# Allegro board 8880F5-0824_updates.brd (continued)
## Placement (name value [footprint] x y rotation side) (continued)
NOREF#889  -  []  339.65 204.65 90 top
NOREF#890  -  []  336.77 165.04 90 top
NOREF#891  -  []  383.09 273.11 0 top
NOREF#892  -  []  118.45 234.24 90 top
NOREF#893  -  []  201.23 233.47 90 top
NOREF#894  -  []  390.69 257.11 0 top
NOREF#895  -  []  115.61 211.51 90 top
NOREF#896  -  []  400.79 154.88 0 top
NOREF#897  -  []  254.61 265.86 90 top
NOREF#898  -  []  397.8 179.6 90 top
NOREF#899  -  []  272.24 249.18 90 top
NOREF#900  -  []  424.98 146.43 90 top
NOREF#901  -  []  221.56 190.49 0 top
NOREF#902  -  []  374.34 210.38 90 top
NOREF#903  -  []  332.51 265.55 0 top
NOREF#904  -  []  237.57 269.63 90 top
NOREF#905  -  []  332.83 264.65 90 top
NOREF#906  -  []  241.6 296.61 0 top
NOREF#907  -  []  122.15 195.15 0 top
NOREF#908  -  []  166.06 243.9 90 top
NOREF#909  -  []  450.03 225.6 0 top
NOREF#910  -  []  390.94 241.16 90 top
NOREF#911  -  []  271.04 241.69 0 top
NOREF#912  -  []  271.34 185.18 0 top
NOREF#913  -  []  424.98 146.33 90 top
NOREF#914  -  []  127.95 187.53 0 top
NOREF#915  -  []  272.25 182.96 0 top
NOREF#916  -  []  128.05 271.33 90 top
NOREF#917  -  []  485.36 259.9 90 top
NOREF#918  -  []  201.49 159.65 0 top
NOREF#919  -  []  390.69 273.11 0 top
NOREF#920  -  []  118.33 273.87 90 top
NOREF#921  -  []  192.47 202.99 90 top
NOREF#922  -  []  281.47 296.86 0 top
NOREF#923  -  []  317.57 269.63 90 top
NOREF#924  -  []  175.7 202.99 90 top
NOREF#925  -  []  391.96 131.89 0 top
NOREF#926  -  []  343.83 231.63 90 top
NOREF#927  -  []  456.04 222.5 0 top
NOREF#928  -  []  263.95 223.52 90 top
NOREF#929  -  []  167.7 233.47 90 top
NOREF#930  -  []  182.57 212.85 90 top
NOREF#931  -  []  310.73 189.2 0 top
NOREF#932  -  []  406.65 223.21 90 top
NOREF#933  -  []  326.23 173.13 0 top
NOREF#934  -  []  414.82 297.12 0 top
NOREF#935  -  []  167.7 227.72 90 top
NOREF#936  -  []  271.04 249.82 0 top
NOREF#937  -  []  167.7 187.92 90 top
NOREF#938  -  []  397.8 146.33 90 top
NOREF#939  -  []  409.17 297.12 0 top
NOREF#940  -  []  166.06 175.58 90 top
NOREF#941  -  []  371.48 265.11 0 top
NOREF#942  -  []  368.03 265.11 0 top
NOREF#943  -  []  248.33 247.93 0 top
NOREF#944  -  []  352.25 184.23 0 top
NOREF#945  -  []  309.21 248.88 0 top
NOREF#946  -  []  463.61 171.53 0 top
NOREF#947  -  []  297.41 213.24 90 top
NOREF#948  -  []  369.38 257.11 0 top
NOREF#949  -  []  395.2 281.11 0 top
NOREF#950  -  []  118.7 217.73 90 top
NOREF#951  -  []  167.7 255.15 0 top
NOREF#952  -  []  338.2 186.67 0 top
NOREF#953  -  []  318.3 223.52 90 top
NOREF#954  -  []  398.65 241.11 0 top
NOREF#955  -  []  93.76 287.84 90 top
NOREF#956  -  []  250.49 164.74 90 top
NOREF#957  -  []  352.55 182.64 0 top
NOREF#958  -  []  327.25 205.55 0 top
NOREF#959  -  []  415.1 163.64 0 top
NOREF#960  -  []  184.47 260.9 90 top
NOREF#961  -  []  192.47 189.02 90 top
NOREF#962  -  []  304.65 271.67 0 top
NOREF#963  -  []  108.01 222.33 0 top
NOREF#964  -  []  184.47 258.7 90 top
NOREF#965  -  []  201.49 173.11 0 top
NOREF#966  -  []  351.04 242.96 0 top
NOREF#967  -  []  343.98 288.86 0 top
NOREF#968  -  []  311.15 219.63 90 top
NOREF#969  -  []  118.33 289.48 90 top
NOREF#970  -  []  394.46 129.99 90 top
NOREF#971  -  []  201.49 165.4 90 top
NOREF#972  -  []  351.34 185.18 0 top
NOREF#973  -  []  199.33 212.85 90 top
NOREF#974  -  []  417.7 146.88 0 top
NOREF#975  -  []  368.28 297.12 0 top
NOREF#976  -  []  310.83 164.63 0 top
NOREF#977  -  []  385.93 144.98 0 top
NOREF#978  -  []  215.96 188.49 0 top
NOREF#979  -  []  263.31 224.72 0 top
NOREF#980  -  []  385.18 209.11 90 top
NOREF#981  -  []  108.01 214.71 0 top
NOREF#982  -  []  168.13 199.99 90 top
NOREF#983  -  []  201.49 176.66 90 top
NOREF#984  -  []  383.09 224.85 0 top
NOREF#985  -  []  392.47 288.67 90 top
NOREF#986  -  []  310.43 253.37 90 top
NOREF#987  -  []  419.9 154.88 0 top
NOREF#988  -  []  406.19 188.15 0 top
NOREF#989  -  []  229.51 193.69 0 top
NOREF#990  -  []  462.06 291.28 90 top
NOREF#991  -  []  192.47 243.88 90 top
NOREF#992  -  []  352.25 182.96 0 top
NOREF#993  -  []  394 217.36 0 top
NOREF#994  -  []  230.73 189.2 0 top
NOREF#995  -  []  167.7 200.54 0 top
NOREF#996  -  []  451.68 239.34 0 top
NOREF#997  -  []  332.51 265.56 0 top
NOREF#998  -  []  216.96 192.14 0 top
NOREF#999  -  []  398.65 249.11 0 top
NOREF#1000  -  []  192.47 232.37 90 top
NOREF#1001  -  []  288.74 290.13 90 top
NOREF#1002  -  []  272.25 244.86 90 top
NOREF#1003  -  []  315.7 296.86 0 top
NOREF#1004  -  []  128.21 178.64 0 top
NOREF#1005  -  []  399.64 144.98 0 top
NOREF#1006  -  []  463.11 186.77 0 top
NOREF#1007  -  []  411.52 146.33 90 top
NOREF#1008  -  []  304.61 131.64 0 top
NOREF#1009  -  []  308.14 296.86 0 top
NOREF#1010  -  []  296.96 240.71 0 top
NOREF#1011  -  []  75.98 271.33 90 top
NOREF#1012  -  []  201.23 190.12 90 top
NOREF#1013  -  []  309.51 183.41 0 top
NOREF#1014  -  []  334.29 205.56 0 top
NOREF#1015  -  []  272.25 184.23 0 top
NOREF#1016  -  []  119.95 222.33 0 top
NOREF#1017  -  []  383.09 289.12 0 top
NOREF#1018  -  []  268.01 296.86 0 top
NOREF#1019  -  []  511.59 259.9 90 top
NOREF#1020  -  []  395.2 249.11 0 top
NOREF#1021  -  []  230.41 186.34 90 top
NOREF#1022  -  []  410.27 257.37 0 top
NOREF#1023  -  []  88.64 247.45 90 top
NOREF#1024  -  []  119.76 127 90 top
NOREF#1025  -  []  418.12 273.37 0 top
NOREF#1026  -  []  343.63 223.82 90 top
NOREF#1027  -  []  302.11 142.44 0 top
NOREF#1028  -  []  256.45 224.72 0 top
NOREF#1029  -  []  119.99 214.79 0 top
NOREF#1030  -  []  268.94 272.1 0 top
NOREF#1031  -  []  367.48 225.87 90 top
NOREF#1032  -  []  215.96 248.49 0 top
NOREF#1033  -  []  450.03 166.93 0 top
NOREF#1034  -  []  257.9 186.35 90 top
NOREF#1035  -  []  259.33 265.55 0 top
NOREF#1036  -  []  216.96 180.71 0 top
NOREF#1037  -  []  371.48 241.11 0 top
NOREF#1038  -  []  112.67 171.02 0 top
NOREF#1039  -  []  388.43 163.64 0 top
NOREF#1040  -  []  448.94 290.38 90 top
NOREF#1041  -  []  390.53 188.15 0 top
NOREF#1042  -  []  272.55 181.37 0 top
NOREF#1043  -  []  247.25 205.55 0 top
NOREF#1044  -  []  483.17 130.26 90 top
NOREF#1045  -  []  106.29 174.19 90 top
NOREF#1046  -  []  167.7 201.89 90 top
NOREF#1047  -  []  192.47 154.88 90 top
NOREF#1048  -  []  419.22 257.37 90 top
NOREF#1049  -  []  409.74 146.88 0 top
NOREF#1050  -  []  327.15 286.96 90 top
NOREF#1051  -  []  331.38 223.52 90 top
NOREF#1052  -  []  118.45 231.77 0 top
NOREF#1053  -  []  338.2 246.67 0 top
NOREF#1054  -  []  382.82 163.39 0 top
NOREF#1055  -  []  346.27 129.42 90 top
NOREF#1056  -  []  263.83 171.63 90 top
NOREF#1057  -  []  247.57 205.86 90 top
NOREF#1058  -  []  168.13 213.45 90 top
NOREF#1059  -  []  392.04 257.11 90 top
NOREF#1060  -  []  246.67 288.16 90 top
NOREF#1061  -  []  450.03 234.74 0 top
NOREF#1062  -  []  471.21 211.76 0 top
NOREF#1063  -  []  215.96 188.49 0 top
NOREF#1064  -  []  331.22 193.63 0 top
NOREF#1065  -  []  253.4 264.35 90 top
NOREF#1066  -  []  230.43 189.52 0 top
NOREF#1067  -  []  367.13 271.21 0 top
NOREF#1068  -  []  295.96 248.49 0 top
NOREF#1069  -  []  252.83 264.65 90 top
NOREF#1070  -  []  75.98 290.38 90 top
NOREF#1071  -  []  296.81 275.94 0 top
NOREF#1072  -  []  423.2 146.88 0 top
NOREF#1073  -  []  383.83 194.68 90 top
NOREF#1074  -  []  327.25 264.35 90 top
NOREF#1075  -  []  343.95 223.52 90 top
NOREF#1076  -  []  263.63 163.82 90 top
NOREF#1077  -  []  167.7 159.65 90 top
NOREF#1078  -  []  352.24 189.18 90 top
NOREF#1079  -  []  199.84 162.12 90 top
NOREF#1080  -  []  518.38 276.41 90 top
NOREF#1081  -  []  373.93 281.11 0 top
NOREF#1082  -  []  167.7 206.29 90 top
NOREF#1083  -  []  473.79 239.64 0 top
NOREF#1084  -  []  184.47 147.28 90 top
NOREF#1085  -  []  321.35 296.86 0 top
NOREF#1086  -  []  262.68 223.52 90 top
NOREF#1087  -  []  165.8 254 90 top
NOREF#1088  -  []  318.45 257.01 0 top
NOREF#1089  -  []  248 286.96 0 top
NOREF#1090  -  []  375.22 163.39 0 top
NOREF#1091  -  []  406.52 131.89 90 top
NOREF#1092  -  []  172.08 289.11 90 top
NOREF#1093  -  []  175.8 215.25 90 top
NOREF#1094  -  []  379.73 287.22 90 top
NOREF#1095  -  []  184.47 215.35 90 top
NOREF#1096  -  []  310.43 194.01 0 top
NOREF#1097  -  []  262.68 224.74 90 top
NOREF#1098  -  []  302.11 252.14 0 top
NOREF#1099  -  []  398.65 257.37 0 top
NOREF#1100  -  []  449.99 217.9 0 top
NOREF#1101  -  []  167.7 161 90 top
NOREF#1102  -  []  167.7 241.43 0 top
NOREF#1103  -  []  184.47 247.18 90 top
NOREF#1104  -  []  459.24 219.3 0 top
NOREF#1105  -  []  463.11 230.2 0 top
NOREF#1106  -  []  66.26 271.33 90 top
NOREF#1107  -  []  250.49 163.52 90 top
NOREF#1108  -  []  249.15 296.86 0 top
NOREF#1109  -  []  333.4 205.56 0 top
NOREF#1110  -  []  312.46 131.69 90 top
NOREF#1111  -  []  390.53 180.15 0 top
NOREF#1112  -  []  460.93 182.17 90 top
NOREF#1113  -  []  419.9 272.92 90 top
NOREF#1114  -  []  501.87 273.87 90 top
NOREF#1115  -  []  371.48 257.11 0 top
NOREF#1116  -  []  284.36 280.1 0 top
NOREF#1117  -  []  410.52 273.37 0 top
NOREF#1118  -  []  334.29 265.56 90 top
NOREF#1119  -  []  250.73 204.35 90 top
NOREF#1120  -  []  94.93 190.55 0 top
NOREF#1121  -  []  184.47 227.72 0 top
NOREF#1122  -  []  256.77 225.04 90 top
NOREF#1123  -  []  331.38 224.74 90 top
NOREF#1124  -  []  184.47 214 0 top
NOREF#1125  -  []  408.02 239.21 0 top
NOREF#1126  -  []  292.74 296.86 0 top
NOREF#1127  -  []  461.96 166.93 0 top
NOREF#1128  -  []  303.26 139.64 0 top
NOREF#1129  -  []  259.33 205.55 0 top
NOREF#1130  -  []  413.71 178.82 0 top
NOREF#1131  -  []  405.5 273.11 90 top
NOREF#1132  -  []  107.18 246.83 90 top
NOREF#1133  -  []  177.33 187.32 90 top
NOREF#1134  -  []  11.6 261.68 90 top
NOREF#1135  -  []  258.35 288.91 90 top
NOREF#1136  -  []  310.43 187.61 90 top
NOREF#1137  -  []  167.7 173.11 0 top
NOREF#1138  -  []  482.64 192.46 90 top
NOREF#1139  -  []  331.62 265.56 0 top
NOREF#1140  -  []  408.02 287.22 0 top
NOREF#1141  -  []  251.05 204.65 90 top
NOREF#1142  -  []  122.41 178.64 0 top
NOREF#1143  -  []  404.4 225.16 90 top
NOREF#1144  -  []  201.23 215.35 90 top
NOREF#1145  -  []  230.73 253.69 0 top
NOREF#1146  -  []  318.45 197.01 0 top
NOREF#1147  -  []  230.73 189.2 0 top
NOREF#1148  -  []  351.34 245.18 0 top
NOREF#1149  -  []  471.11 186.77 0 top
NOREF#1150  -  []  251.62 265.56 0 top
NOREF#1151  -  []  128.24 171.1 0 top
NOREF#1152  -  []  306.83 269.63 90 top
NOREF#1153  -  []  327.25 265.56 0 top
NOREF#1154  -  []  400.54 171.64 0 top
NOREF#1155  -  []  459.28 183.57 0 top
NOREF#1156  -  []  105.58 234.24 90 top
NOREF#1157  -  []  330.51 288.86 0 top
NOREF#1158  -  []  299.59 288.86 90 top
NOREF#1159  -  []  199.59 158.5 0 top
NOREF#1160  -  []  230.73 247.93 0 top
NOREF#1161  -  []  84.04 287.84 90 top
NOREF#1162  -  []  250.73 265.56 0 top
NOREF#1163  -  []  201.21 292.55 90 top
NOREF#1164  -  []  201.49 173.11 90 top
NOREF#1165  -  []  229.51 183.41 0 top
NOREF#1166  -  []  396.55 241.11 0 top
NOREF#1167  -  []  453.88 171.53 0 top
NOREF#1168  -  []  344.37 128.27 0 top
NOREF#1169  -  []  331.62 264.35 90 top
NOREF#1170  -  []  397.3 209.36 0 top
NOREF#1171  -  []  310.43 188.88 90 top
NOREF#1172  -  []  94.68 234.24 0 top
NOREF#1173  -  []  387.08 171.64 0 top
NOREF#1174  -  []  314.33 168.13 90 top
NOREF#1175  -  []  252.43 132.14 0 top
NOREF#1176  -  []  247.25 205.56 90 top
NOREF#1177  -  []  468.68 129.54 0 top
NOREF#1178  -  []  308.91 139.64 0 top
NOREF#1179  -  []  175.7 218.65 90 top
NOREF#1180  -  []  259.65 204.65 90 top
NOREF#1181  -  []  192.57 147.18 90 top
NOREF#1182  -  []  274.67 286.96 0 top
NOREF#1183  -  []  463.11 230.2 0 top
NOREF#1184  -  []  165.8 199.39 0 top
NOREF#1185  -  []  394.66 242.38 90 top
NOREF#1186  -  []  329.28 163.82 90 top
NOREF#1187  -  []  376.23 209.11 0 top
NOREF#1188  -  []  401.87 139.89 0 top
NOREF#1189  -  []  230.43 253.37 90 top
NOREF#1190  -  []  410.78 131.89 0 top
NOREF#1191  -  []  310.43 246.34 0 top
NOREF#1192  -  []  310.43 193.37 90 top
NOREF#1193  -  []  459.28 236.14 90 top
NOREF#1194  -  []  107.02 166.42 90 top
NOREF#1195  -  []  242.23 233.13 0 top
NOREF#1196  -  []  470.79 128.27 0 top
NOREF#1197  -  []  342.04 164.74 0 top
NOREF#1198  -  []  468.01 171.53 0 top
NOREF#1199  -  []  390.34 192.28 90 top
NOREF#1200  -  []  400.24 195.88 90 top
NOREF#1201  -  []  463.61 171.53 0 top
NOREF#1202  -  []  106.18 160.58 90 top
NOREF#1203  -  []  392.24 193.43 90 top
NOREF#1204  -  []  373.32 181.42 90 top
NOREF#1205  -  []  244.8 288.61 0 top
NOREF#1206  -  []  166.06 203.01 90 top
NOREF#1207  -  []  373.87 171.39 0 top
NOREF#1208  -  []  201.23 214 90 top
NOREF#1209  -  []  343.95 163.52 90 top
NOREF#1210  -  []  182.57 158.5 90 top
NOREF#1211  -  []  182.57 158.5 0 top
NOREF#1212  -  []  394.66 226.38 90 top
NOREF#1213  -  []  236.27 289.16 90 top
NOREF#1214  -  []  229.51 186.66 0 top
NOREF#1215  -  []  403.99 171.64 0 top
NOREF#1216  -  []  337.9 186.99 0 top
NOREF#1217  -  []  377.23 273.11 0 top
NOREF#1218  -  []  337.09 163.52 90 top
NOREF#1219  -  []  192.47 191.22 90 top
NOREF#1220  -  []  263.63 225.04 90 top
NOREF#1221  -  []  511.59 257.36 90 top
NOREF#1222  -  []  229.21 188.88 0 top
NOREF#1223  -  []  330.73 265.55 0 top
NOREF#1224  -  []  229.05 271.67 0 top
NOREF#1225  -  []  317.66 164.72 0 top
NOREF#1226  -  []  259.33 265.56 0 top
NOREF#1227  -  []  352.55 242.64 0 top
NOREF#1228  -  []  394.66 290.39 90 top
NOREF#1229  -  []  460.93 234.74 90 top
NOREF#1230  -  []  420.62 271.47 90 top
NOREF#1231  -  []  306.85 211.67 0 top
NOREF#1232  -  []  322.62 139.64 0 top
NOREF#1233  -  []  184.47 241.43 0 top
NOREF#1234  -  []  453.88 230.2 0 top
NOREF#1235  -  []  451.68 171.53 0 top
NOREF#1236  -  []  384.36 131.89 0 top
NOREF#1237  -  []  459.28 227 90 top
NOREF#1238  -  []  201.4 254.6 90 top
NOREF#1239  -  []  473.79 196.21 0 top
NOREF#1240  -  []  334.29 264.35 90 top
NOREF#1241  -  []  311.69 288.91 90 top
NOREF#1242  -  []  252.83 205.86 90 top
NOREF#1243  -  []  184.47 206.29 90 top
NOREF#1244  -  []  192.47 175.56 90 top
NOREF#1245  -  []  377.32 163.39 0 top
NOREF#1246  -  []  408.02 271.47 0 top
NOREF#1247  -  []  400.91 207.71 0 top
NOREF#1248  -  []  371.73 297.12 0 top
NOREF#1249  -  []  376.23 209.11 0 top
NOREF#1250  -  []  230.83 224.63 0 top
NOREF#1251  -  []  419.47 273.37 90 top
NOREF#1252  -  []  351.04 184.23 0 top
NOREF#1253  -  []  312.46 144.39 90 top
NOREF#1254  -  []  383.07 163.44 90 top
NOREF#1255  -  []  341.63 233.83 90 top
NOREF#1256  -  []  175.7 135.17 90 top
NOREF#1257  -  []  253.4 265.56 90 top
NOREF#1258  -  []  342.04 224.74 0 top
NOREF#1259  -  []  310.73 243.41 0 top
NOREF#1260  -  []  348.28 296.86 0 top
NOREF#1261  -  []  226.83 269.63 90 top
NOREF#1262  -  []  230.43 193.37 90 top
NOREF#1263  -  []  322.23 173.13 90 top
NOREF#1264  -  []  175.8 147.18 90 top
NOREF#1265  -  []  254.29 205.55 0 top
NOREF#1266  -  []  306.27 216.63 90 top
NOREF#1267  -  []  394.05 223.21 0 top
NOREF#1268  -  []  398.65 281.11 0 top
NOREF#1269  -  []  404.15 273.11 0 top
NOREF#1270  -  []  184.47 192.32 90 top
NOREF#1271  -  []  251.22 253.63 0 top
NOREF#1272  -  []  412.62 289.12 0 top
NOREF#1273  -  []  234.7 298.51 0 top
NOREF#1274  -  []  392.73 188.15 0 top
NOREF#1275  -  []  331.62 265.55 0 top
NOREF#1276  -  []  122.15 222.33 0 top
NOREF#1277  -  []  318.32 131.64 0 top
NOREF#1278  -  []  230.41 188.88 90 top
NOREF#1279  -  []  331.22 253.63 0 top
NOREF#1280  -  []  167.7 255.15 90 top
NOREF#1281  -  []  317.05 288.86 0 top
NOREF#1282  -  []  352.25 245.5 0 top
NOREF#1283  -  []  294.94 296.86 0 top
NOREF#1284  -  []  272.24 184.86 90 top
NOREF#1285  -  []  456.08 214.96 0 top
NOREF#1286  -  []  317.66 224.74 0 top
NOREF#1287  -  []  284.36 272.1 90 top
NOREF#1288  -  []  221.56 242.89 0 top
NOREF#1289  -  []  264.72 272.65 90 top
NOREF#1290  -  []  167.7 247.18 90 top
NOREF#1291  -  []  518.38 273.87 90 top
NOREF#1292  -  []  182.57 212.85 0 top
NOREF#1293  -  []  182.57 254 0 top
NOREF#1294  -  []  168.13 240.88 90 top
NOREF#1295  -  []  478.57 257.36 90 top
NOREF#1296  -  []  263.2 232.26 90 top
NOREF#1297  -  []  369.38 224.6 0 top
NOREF#1298  -  []  552.76 299.72 0 top
NOREF#1299  -  []  252.6 296.86 0 top
NOREF#1300  -  []  302.49 296.86 0 top
NOREF#1301  -  []  192.47 222.95 90 top
NOREF#1302  -  []  182.57 144.78 90 top
NOREF#1303  -  []  251.38 223.52 90 top
NOREF#1304  -  []  209.59 160.9 90 top
NOREF#1305  -  []  422.95 163.69 90 top
NOREF#1306  -  []  217.41 213.24 0 top
NOREF#1307  -  []  327.57 205.86 90 top
NOREF#1308  -  []  304.61 131.64 0 top
NOREF#1309  -  []  122.19 214.79 0 top
NOREF#1310  -  []  177.33 146.68 90 top
NOREF#1311  -  []  66.26 290.38 90 top
NOREF#1312  -  []  423.71 181.22 90 top
NOREF#1313  -  []  217.41 273.24 0 top
NOREF#1314  -  []  403.41 209.61 0 top
NOREF#1315  -  []  310.73 183.41 0 top
NOREF#1316  -  []  228.36 262.16 45 top
NOREF#1317  -  []  366.88 222.7 0 top
NOREF#1318  -  []  351.34 182.64 0 top
NOREF#1319  -  []  223.15 271.32 90 top
NOREF#1320  -  []  310.43 248.88 0 top
NOREF#1321  -  []  194.09 214.75 90 top
NOREF#1322  -  []  410.84 180.15 90 top
NOREF#1323  -  []  546.67 300.44 90 top
NOREF#1324  -  []  266.74 143.19 0 top
NOREF#1325  -  []  342.36 163.82 90 top
NOREF#1326  -  []  327.25 265.55 0 top
NOREF#1327  -  []  272.55 189.5 0 top
NOREF#1328  -  []  339.65 204.65 90 top
NOREF#1329  -  []  175.7 195.52 90 top
NOREF#1330  -  []  332.83 265.86 90 top
NOREF#1331  -  []  249.85 224.72 0 top
NOREF#1332  -  []  192.47 182.06 90 top
NOREF#1333  -  []  310.43 186.34 0 top
NOREF#1334  -  []  462.06 274.77 90 top
NOREF#1335  -  []  317.98 225.04 90 top
NOREF#1336  -  []  283.21 282 0 top
NOREF#1337  -  []  346.69 128.87 90 top
NOREF#1338  -  []  383.09 289.12 0 top
NOREF#1339  -  []  259.45 288.86 90 top
NOREF#1340  -  []  419.73 131.89 90 top
NOREF#1341  -  []  192.47 230.17 90 top
NOREF#1342  -  []  456.08 171.53 0 top
NOREF#1343  -  []  106.76 217.73 90 top
NOREF#1344  -  []  165.8 240.28 0 top
NOREF#1345  -  []  106.03 217.88 90 top
NOREF#1346  -  []  96.58 195.15 0 top
NOREF#1347  -  []  118.96 179.19 0 top
NOREF#1348  -  []  388.43 180.15 0 top
NOREF#1349  -  []  175.8 174.36 90 top
NOREF#1350  -  []  310.43 243.09 90 top
NOREF#1351  -  []  254.8 296.86 0 top
NOREF#1352  -  []  209.49 182.06 90 top
NOREF#1353  -  []  155.57 289.11 90 top
NOREF#1354  -  []  390.94 273.16 90 top
NOREF#1355  -  []  331.62 265.56 90 top
NOREF#1356  -  []  210.86 228.47 90 top
NOREF#1357  -  []  250.49 224.74 90 top
NOREF#1358  -  []  308.36 202.16 45 top
NOREF#1359  -  []  411.26 163.19 90 top
NOREF#1360  -  []  392.04 289.12 90 top
NOREF#1361  -  []  401.87 194.18 90 top
NOREF#1362  -  []  272.55 243.91 0 top
NOREF#1363  -  []  367.73 274.38 90 top
NOREF#1364  -  []  259.84 145.09 0 top
NOREF#1365  -  []  230.73 243.41 0 top
NOREF#1366  -  []  453.88 214.96 0 top
NOREF#1367  -  []  475.36 127 90 top
NOREF#1368  -  []  184.89 254.6 90 top
NOREF#1369  -  []  199.33 226.57 0 top
NOREF#1370  -  []  201.23 186.57 0 top
NOREF#1371  -  []  252.6 288.86 0 top
NOREF#1372  -  []  409.99 146.93 90 top
NOREF#1373  -  []  352.25 249.82 0 top
NOREF#1374  -  []  399.99 164.91 90 top
NOREF#1375  -  []  230.43 188.88 0 top
NOREF#1376  -  []  257.09 224.74 90 top
NOREF#1377  -  []  332.51 264.35 90 top
NOREF#1378  -  []  295.96 177.06 0 top
NOREF#1379  -  []  369.63 273.11 0 top
NOREF#1380  -  []  168.13 132.17 90 top
NOREF#1381  -  []  199.59 158.5 90 top
NOREF#1382  -  []  209.49 148.63 90 top
NOREF#1383  -  []  383.09 273.11 0 top
NOREF#1384  -  []  399.39 178.25 0 top
NOREF#1385  -  []  108.27 171.02 0 top
NOREF#1386  -  []  237.66 224.74 0 top
NOREF#1387  -  []  275.12 271.65 90 top
NOREF#1388  -  []  411.09 146.88 90 top
NOREF#1389  -  []  459.28 236.14 0 top
NOREF#1390  -  []  383.09 224.85 0 top
NOREF#1391  -  []  396.55 257.37 0 top
NOREF#1392  -  []  386.46 131.89 0 top
NOREF#1393  -  []  230.41 253.37 90 top
NOREF#1394  -  []  331.86 252.43 90 top
NOREF#1395  -  []  404.4 289.17 90 top
NOREF#1396  -  []  215.96 237.06 0 top
NOREF#1397  -  []  404.4 273.16 90 top
NOREF#1398  -  []  380.59 239.21 0 top
NOREF#1399  -  []  331.05 205.86 90 top
NOREF#1400  -  []  184.47 227.72 90 top
NOREF#1401  -  []  385.19 257.11 0 top
NOREF#1402  -  []  168.13 254.6 90 top
NOREF#1403  -  []  414.25 154.88 0 top
NOREF#1404  -  []  317.83 257.63 0 top
NOREF#1405  -  []  330.49 223.52 90 top
NOREF#1406  -  []  478.57 291.28 90 top
NOREF#1407  -  []  451.68 239.34 0 top
NOREF#1408  -  []  201.23 206.29 90 top
NOREF#1409  -  []  424.47 163.09 90 top
NOREF#1410  -  []  238.45 257.01 0 top
NOREF#1411  -  []  379.48 255.21 90 top
NOREF#1412  -  []  396.55 241.11 0 top
NOREF#1413  -  []  559.43 297.18 90 top
NOREF#1414  -  []  201.23 244.98 90 top
NOREF#1415  -  []  252.83 204.65 90 top
NOREF#1416  -  []  230.43 193.37 0 top
NOREF#1417  -  []  334.29 265.56 0 top
NOREF#1418  -  []  184.47 145.93 0 top
NOREF#1419  -  []  301.95 290.13 90 top
NOREF#1420  -  []  259.97 204.35 90 top
NOREF#1421  -  []  352.24 189.18 90 top
NOREF#1422  -  []  483.04 195.66 0 top
NOREF#1423  -  []  461.96 210.36 0 top
NOREF#1424  -  []  253.4 265.55 0 top
NOREF#1425  -  []  184.47 217.55 90 top
NOREF#1426  -  []  296.96 252.14 0 top
NOREF#1427  -  []  330.49 164.74 90 top
NOREF#1428  -  []  115.36 235.64 90 top
NOREF#1429  -  []  167.7 138.47 90 top
NOREF#1430  -  []  165.8 131.57 90 top
NOREF#1431  -  []  263.31 164.74 0 top
NOREF#1432  -  []  120.21 178.64 0 top
NOREF#1433  -  []  272.25 189.18 90 top
NOREF#1434  -  []  167.7 147.28 90 top
NOREF#1435  -  []  336.45 224.72 0 top
NOREF#1436  -  []  283.21 270.2 90 top
NOREF#1437  -  []  333.4 205.56 90 top
NOREF#1438  -  []  459.28 227 0 top
NOREF#1439  -  []  167.7 159.65 0 top
NOREF#1440  -  []  420.62 239.21 90 top
NOREF#1441  -  []  367.48 258.38 90 top
NOREF#1442  -  []  412.6 161.74 0 top
NOREF#1443  -  []  406.65 239.21 90 top
NOREF#1444  -  []  118.99 171.65 0 top
NOREF#1445  -  []  424.05 163.64 90 top
NOREF#1446  -  []  393.19 271.21 90 top
NOREF#1447  -  []  200.98 256.5 90 top
NOREF#1448  -  []  304.61 144.34 0 top
NOREF#1449  -  []  119.7 238.84 0 top
NOREF#1450  -  []  209.23 230.17 90 top
NOREF#1451  -  []  352.24 242.32 90 top
NOREF#1452  -  []  317.05 288.86 0 top
NOREF#1453  -  []  477.24 239.09 0 top
NOREF#1454  -  []  411.99 161.74 90 top
NOREF#1455  -  []  394.05 287.22 0 top
NOREF#1456  -  []  412.36 209.61 90 top
NOREF#1457  -  []  168.13 172.56 90 top
NOREF#1458  -  []  468.85 259.9 90 top
NOREF#1459  -  []  121.9 238.84 0 top
NOREF#1460  -  []  381.2 290.39 90 top
NOREF#1461  -  []  234.33 228.13 90 top
NOREF#1462  -  []  265.81 288.86 0 top
NOREF#1463  -  []  387.39 232.85 0 top
NOREF#1464  -  []  309.21 243.09 0 top
NOREF#1465  -  []  249.6 223.52 90 top
NOREF#1466  -  []  285.02 288.91 90 top
NOREF#1467  -  []  250.17 163.82 90 top
NOREF#1468  -  []  351.34 249.5 0 top
NOREF#1469  -  []  192.47 218.65 90 top
NOREF#1470  -  []  290.11 280.1 0 top
NOREF#1471  -  []  276.4 147.38 0 top
NOREF#1472  -  []  381.74 232.85 0 top
NOREF#1473  -  []  175.7 230.17 90 top
NOREF#1474  -  []  343.31 224.74 0 top
NOREF#1475  -  []  263.14 270.2 90 top
NOREF#1476  -  []  192.47 264.1 90 top
NOREF#1477  -  []  218.13 274.06 90 top
NOREF#1478  -  []  415.61 183.52 90 top
NOREF#1479  -  []  246.63 130.24 90 top
NOREF#1480  -  []  127.55 219.13 90 top
NOREF#1481  -  []  257.08 132.19 90 top
NOREF#1482  -  []  379.01 288.67 90 top
NOREF#1483  -  []  352.25 242.96 0 top
NOREF#1484  -  []  262.34 143.19 0 top
NOREF#1485  -  []  310.43 188.88 0 top
NOREF#1486  -  []  332.51 205.56 0 top
NOREF#1487  -  []  254.29 205.56 0 top
NOREF#1488  -  []  167.7 176.66 90 top
NOREF#1489  -  []  399.39 161.74 0 top
NOREF#1490  -  []  331.06 225.04 90 top
NOREF#1491  -  []  379.48 222.7 90 top
NOREF#1492  -  []  309.21 193.37 0 top
NOREF#1493  -  []  259.33 264.35 90 top
NOREF#1494  -  []  184.47 186.57 90 top
NOREF#1495  -  []  272.55 242.64 0 top
NOREF#1496  -  []  310.41 253.37 90 top
NOREF#1497  -  []  271.34 181.37 0 top
NOREF#1498  -  []  397.8 179.7 90 top
NOREF#1499  -  []  333.4 265.56 90 top
NOREF#1500  -  []  127.7 238.84 0 top
NOREF#1501  -  []  194.09 255.9 90 top
NOREF#1502  -  []  339.89 288.31 90 top
NOREF#1503  -  []  317.83 197.63 0 top
NOREF#1504  -  []  368.03 232.6 0 top
NOREF#1505  -  []  456.08 195.91 0 top
NOREF#1506  -  []  248.33 187.93 0 top
NOREF#1507  -  []  319.33 176.03 90 top
NOREF#1508  -  []  306.71 144.34 0 top
NOREF#1509  -  []  374.08 195.9 90 top
NOREF#1510  -  []  239.33 243.63 90 top
NOREF#1511  -  []  199.33 226.57 90 top
NOREF#1512  -  []  194.09 173.86 90 top
NOREF#1513  -  []  175.7 189.02 90 top
NOREF#1514  -  []  110.21 214.71 0 top
NOREF#1515  -  []  351.34 243.91 0 top
NOREF#1516  -  []  305.94 296.86 0 top
NOREF#1517  -  []  411.26 163.09 90 top
NOREF#1518  -  []  247.25 265.56 90 top
NOREF#1519  -  []  385.36 194.18 90 top
NOREF#1520  -  []  192.57 187.82 90 top
NOREF#1521  -  []  390.94 289.17 90 top
NOREF#1522  -  []  253.4 265.56 0 top
NOREF#1523  -  []  459.28 192.71 90 top
NOREF#1524  -  []  199.33 199.39 90 top
NOREF#1525  -  []  252.51 205.56 90 top
NOREF#1526  -  []  239.4 296.61 0 top
NOREF#1527  -  []  112.16 238.84 0 top
NOREF#1528  -  []  115.19 128.27 0 top
NOREF#1529  -  []  309.51 186.66 0 top
NOREF#1530  -  []  112.05 246.78 90 top
NOREF#1531  -  []  229.21 193.37 0 top
NOREF#1532  -  []  465.45 292.92 90 top
NOREF#1533  -  []  330.18 182.88 0 top
NOREF#1534  -  []  201.21 290.01 90 top
NOREF#1535  -  []  369.63 273.11 0 top
NOREF#1536  -  []  310.41 193.37 90 top
NOREF#1537  -  []  396.55 225.11 0 top
NOREF#1538  -  []  201.23 214 0 top
NOREF#1539  -  []  182.57 199.39 0 top
NOREF#1540  -  []  383.73 195.88 90 top
NOREF#1541  -  []  397.55 209.41 90 top
NOREF#1542  -  []  119.95 195.15 0 top
NOREF#1543  -  []  230.73 253.69 0 top
NOREF#1544  -  []  265.64 280.1 0 top
NOREF#1545  -  []  194.09 160.4 90 top
NOREF#1546  -  []  412.62 281.37 0 top
NOREF#1547  -  []  326.23 233.13 0 top
NOREF#1548  -  []  392.47 256.66 90 top
NOREF#1549  -  []  118.45 231.77 0 top
NOREF#1550  -  []  165.8 212.85 90 top
NOREF#1551  -  []  300.36 237.06 0 top
NOREF#1552  -  []  330.73 265.56 90 top
NOREF#1553  -  []  346.27 132.97 90 top
NOREF#1554  -  []  184.47 174.46 90 top
NOREF#1555  -  []  201.49 146.18 90 top
NOREF#1556  -  []  272.25 183.59 90 top
NOREF#1557  -  []  403.99 188.15 0 top
NOREF#1558  -  []  219.81 273.69 90 top
NOREF#1559  -  []  247.57 204.65 90 top
NOREF#1560  -  []  230.43 194.01 0 top
NOREF#1561  -  []  450.03 225.6 0 top
NOREF#1562  -  []  471.59 130.36 90 top
NOREF#1563  -  []  418.37 241.16 90 top
NOREF#1564  -  []  251.94 204.65 90 top
NOREF#1565  -  []  184.89 213.45 90 top
NOREF#1566  -  []  418.38 131.89 0 top
NOREF#1567  -  []  378.33 217.11 0 top
NOREF#1568  -  []  239.33 236.03 90 top
NOREF#1569  -  []  377.32 171.39 0 top
NOREF#1570  -  []  418.37 289.17 90 top
NOREF#1571  -  []  167.7 145.93 0 top
NOREF#1572  -  []  263.63 223.82 90 top
NOREF#1573  -  []  184.89 186.02 90 top
NOREF#1574  -  []  473.79 196.21 0 top
NOREF#1575  -  []  383.01 139.89 0 top
NOREF#1576  -  []  211.11 160.4 90 top
NOREF#1577  -  []  120.24 171.1 0 top
NOREF#1578  -  []  351.04 182.96 0 top
NOREF#1579  -  []  330.17 163.82 90 top
NOREF#1580  -  []  410.52 241.11 0 top
NOREF#1581  -  []  93.02 247.21 90 top
NOREF#1582  -  []  415.61 179.97 90 top
NOREF#1583  -  []  385.19 273.11 0 top
NOREF#1584  -  []  266.74 272.1 0 top
NOREF#1585  -  []  199.08 254 90 top
NOREF#1586  -  []  331.94 265.86 90 top
NOREF#1587  -  []  248.96 224.74 0 top
NOREF#1588  -  []  175.7 141.67 90 top
NOREF#1589  -  []  221.87 295.91 0 top
NOREF#1590  -  []  385.32 178.25 90 top
NOREF#1591  -  []  220.36 237.06 0 top
NOREF#1592  -  []  511.59 291.28 90 top
NOREF#1593  -  []  201.23 200.54 0 top
NOREF#1594  -  []  201.23 227.72 0 top
NOREF#1595  -  []  394.05 255.47 0 top
NOREF#1596  -  []  375.73 194.78 90 top
NOREF#1597  -  []  456.08 186.77 0 top
NOREF#1598  -  []  352.25 249.18 90 top
NOREF#1599  -  []  230.43 186.34 0 top
NOREF#1600  -  []  375.73 193.43 0 top
NOREF#1601  -  []  201.23 231.27 90 top
NOREF#1602  -  []  165.8 171.96 90 top
NOREF#1603  -  []  184.47 178.86 90 top
NOREF#1604  -  []  192.47 259.8 90 top
NOREF#1605  -  []  201.49 146.18 0 top
NOREF#1606  -  []  310.43 248.88 90 top
NOREF#1607  -  []  413.1 144.98 0 top
NOREF#1608  -  []  319.33 236.03 90 top
NOREF#1609  -  []  344.62 131.89 90 top
NOREF#1610  -  []  185.2 273.5 90 top
NOREF#1611  -  []  369.38 241.11 0 top
NOREF#1612  -  []  388.43 146.88 0 top
NOREF#1613  -  []  394.66 258.64 90 top
NOREF#1614  -  []  306.71 139.64 0 top
NOREF#1615  -  []  401.89 180.15 0 top
NOREF#1616  -  []  118.45 239.39 0 top
NOREF#1617  -  []  417.7 154.88 0 top
NOREF#1618  -  []  339.97 204.35 90 top
NOREF#1619  -  []  201.49 163.2 90 top
NOREF#1620  -  []  410.52 273.37 0 top
NOREF#1621  -  []  117.26 190.55 90 top
NOREF#1622  -  []  168.69 290.01 90 top
NOREF#1623  -  []  251.22 193.63 0 top
NOREF#1624  -  []  117.33 247.35 90 top
NOREF#1625  -  []  339.65 264.65 90 top
NOREF#1626  -  []  293.31 272.1 0 top
NOREF#1627  -  []  167.7 151.68 90 top
NOREF#1628  -  []  297.41 213.24 0 top
NOREF#1629  -  []  406.19 171.64 0 top
NOREF#1630  -  []  339.33 204.35 90 top
NOREF#1631  -  []  352.25 241.05 90 top
NOREF#1632  -  []  330.73 265.56 0 top
NOREF#1633  -  []  448.94 292.92 90 top
NOREF#1634  -  []  403.99 163.64 0 top
NOREF#1635  -  []  331.38 164.74 90 top
NOREF#1636  -  []  375.22 163.39 0 top
NOREF#1637  -  []  259.33 205.55 0 top
NOREF#1638  -  []  271.04 189.18 0 top
NOREF#1639  -  []  201.21 276.04 90 top
NOREF#1640  -  []  473.6 162.62 90 top
NOREF#1641  -  []  481.96 276.41 90 top
NOREF#1642  -  []  343.83 171.63 90 top
NOREF#1643  -  []  118.74 215.34 0 top
NOREF#1644  -  []  274.37 147.93 90 top
NOREF#1645  -  []  208.98 259.8 90 top
NOREF#1646  -  []  369.38 241.11 0 top
NOREF#1647  -  []  240.5 288.61 0 top
NOREF#1648  -  []  308.91 152.34 0 top
NOREF#1649  -  []  339.89 288.41 90 top
NOREF#1650  -  []  167.7 192.32 90 top
NOREF#1651  -  []  310.43 193.37 0 top
NOREF#1652  -  []  373.68 249.11 0 top
NOREF#1653  -  []  375.22 180.15 0 top
NOREF#1654  -  []  379.73 271.21 90 top
NOREF#1655  -  []  240.94 211.63 90 top
NOREF#1656  -  []  351.34 242.64 0 top
NOREF#1657  -  []  304.61 131.64 0 top
NOREF#1658  -  []  397.57 131.89 0 top
NOREF#1659  -  []  380.59 287.22 0 top
NOREF#1660  -  []  463.61 214.96 0 top
NOREF#1661  -  []  252.51 205.56 0 top
NOREF#1662  -  []  399.67 131.89 0 top
NOREF#1663  -  []  230.43 253.37 0 top
NOREF#1664  -  []  376.98 241.11 0 top
NOREF#1665  -  []  405.5 257.37 90 top
NOREF#1666  -  []  252.51 265.56 90 top
NOREF#1667  -  []  242.23 173.13 90 top
NOREF#1668  -  []  167.7 165.4 90 top
NOREF#1669  -  []  105.93 204.27 90 top
NOREF#1670  -  []  251.38 164.74 90 top
NOREF#1671  -  []  230.43 193.37 90 top
NOREF#1672  -  []  327.57 265.86 90 top
NOREF#1673  -  []  352.24 249.18 90 top
NOREF#1674  -  []  337.09 164.74 90 top
NOREF#1675  -  []  351.04 241.69 0 top
NOREF#1676  -  []  259.88 288.41 90 top
NOREF#1677  -  []  168.13 227.17 90 top
NOREF#1678  -  []  261.21 286.96 0 top
NOREF#1679  -  []  309.51 253.69 0 top
NOREF#1680  -  []  342.68 163.52 90 top
NOREF#1681  -  []  192.47 168.6 90 top
NOREF#1682  -  []  423.45 146.93 90 top
NOREF#1683  -  []  314.71 129.74 90 top
NOREF#1684  -  []  271.34 249.5 0 top
NOREF#1685  -  []  272.24 249.18 90 top
NOREF#1686  -  []  353.35 288.41 90 top
NOREF#1687  -  []  330.49 224.74 90 top
NOREF#1688  -  []  376.98 257.11 0 top
NOREF#1689  -  []  415.6 146.88 0 top
NOREF#1690  -  []  309.21 186.34 0 top
NOREF#1691  -  []  201.49 151.93 90 top
NOREF#1692  -  []  407.71 217.61 0 top
NOREF#1693  -  []  199.59 145.03 0 top
NOREF#1694  -  []  351.83 288.91 90 top
NOREF#1695  -  []  310.73 186.66 0 top
NOREF#1696  -  []  271.34 241.37 0 top
NOREF#1697  -  []  101.82 273.87 90 top
NOREF#1698  -  []  342.36 223.82 90 top
NOREF#1699  -  []  384.08 209.16 90 top
NOREF#1700  -  []  192.47 177.76 90 top
NOREF#1701  -  []  306.71 131.64 0 top
NOREF#1702  -  []  182.57 226.57 0 top
NOREF#1703  -  []  115.87 167.82 90 top
NOREF#1704  -  []  118.45 226.62 90 top
NOREF#1705  -  []  485.36 289.48 90 top
NOREF#1706  -  []  317.05 288.86 0 top
NOREF#1707  -  []  295.96 177.06 0 top
NOREF#1708  -  []  230.73 249.2 0 top
NOREF#1709  -  []  201.23 233.47 90 top
NOREF#1710  -  []  400.24 198.08 90 top
NOREF#1711  -  []  209.23 250.38 90 top
NOREF#1712  -  []  316.43 132.91 90 top
NOREF#1713  -  []  390.53 171.64 0 top
NOREF#1714  -  []  392.47 224.3 90 top
NOREF#1715  -  []  119.7 238.84 0 top
NOREF#1716  -  []  402.14 146.88 0 top
NOREF#1717  -  []  453.88 186.77 0 top
NOREF#1718  -  []  409.74 180.2 90 top
NOREF#1719  -  []  167.7 231.27 90 top
NOREF#1720  -  []  223.56 173.86 90 top
NOREF#1721  -  []  115.36 235.64 0 top
NOREF#1722  -  []  398.65 273.11 0 top
NOREF#1723  -  []  396.55 289.12 0 top
NOREF#1724  -  []  366.88 255.21 0 top
NOREF#1725  -  []  342.36 225.04 90 top
NOREF#1726  -  []  272.24 241.05 90 top
NOREF#1727  -  []  352.25 181.69 0 top
NOREF#1728  -  []  184.47 255.15 0 top
NOREF#1729  -  []  380.53 217.11 0 top
NOREF#1730  -  []  230.73 187.93 0 top
NOREF#1731  -  []  310.41 186.34 90 top
NOREF#1732  -  []  288.14 286.96 0 top
NOREF#1733  -  []  406.65 255.47 90 top
NOREF#1734  -  []  391.8 209.36 0 top
NOREF#1735  -  []  175.7 205.19 90 top
NOREF#1736  -  []  167.7 136.27 90 top
NOREF#1737  -  []  208.98 264.1 90 top
NOREF#1738  -  []  127.95 222.33 0 top
NOREF#1739  -  []  414.82 249.11 0 top
NOREF#1740  -  []  272.25 249.18 90 top
NOREF#1741  -  []  463.61 214.96 0 top
NOREF#1742  -  []  219.81 213.69 90 top
NOREF#1743  -  []  312.25 211.67 90 top
NOREF#1744  -  []  332.61 288.86 0 top
NOREF#1745  -  []  175.7 177.76 90 top
NOREF#1746  -  []  165.8 226.57 90 top
NOREF#1747  -  []  256.45 164.72 0 top
NOREF#1748  -  []  327.57 264.65 90 top
NOREF#1749  -  []  298.16 177.06 0 top
NOREF#1750  -  []  259.65 204.65 90 top
NOREF#1751  -  []  226.83 209.63 90 top
NOREF#1752  -  []  230.43 188.88 90 top
NOREF#1753  -  []  242.23 173.13 0 top
NOREF#1754  -  []  448.94 276.41 90 top
NOREF#1755  -  []  201.23 242.78 90 top
NOREF#1756  -  []  182.82 257.62 90 top
NOREF#1757  -  []  351.34 181.37 0 top
NOREF#1758  -  []  400.85 249.11 0 top
NOREF#1759  -  []  318.32 131.64 0 top
NOREF#1760  -  []  369.38 241.11 0 top
NOREF#1761  -  []  229.51 249.2 0 top
NOREF#1762  -  []  250.73 205.55 0 top
NOREF#1763  -  []  209.33 187.82 90 top
NOREF#1764  -  []  310.43 247.61 90 top
NOREF#1765  -  []  400.54 188.15 0 top
NOREF#1766  -  []  327.25 205.56 0 top
NOREF#1767  -  []  333.72 204.65 90 top
NOREF#1768  -  []  298.13 274.06 90 top
NOREF#1769  -  []  334.61 265.86 90 top
NOREF#1770  -  []  296.96 180.71 0 top
NOREF#1771  -  []  334.61 264.65 90 top
NOREF#1772  -  []  311.44 288.86 0 top
NOREF#1773  -  []  468.85 257.36 90 top
NOREF#1774  -  []  230.43 253.37 90 top
NOREF#1775  -  []  475.04 195.66 0 top
NOREF#1776  -  []  330.51 288.86 0 top
NOREF#1777  -  []  396.28 146.93 90 top
NOREF#1778  -  []  387.8 210.63 90 top
NOREF#1779  -  []  377.48 289.17 90 top
NOREF#1780  -  []  177.33 214.75 90 top
NOREF#1781  -  []  250.74 164.74 0 top
NOREF#1782  -  []  230.41 243.09 90 top
NOREF#1783  -  []  107.76 238.84 0 top
NOREF#1784  -  []  411.26 179.7 90 top
NOREF#1785  -  []  251.54 192.73 90 top
NOREF#1786  -  []  404.15 241.11 0 top
NOREF#1787  -  []  329.28 223.82 90 top
NOREF#1788  -  []  392.47 240.66 90 top
NOREF#1789  -  []  343.2 172.26 90 top
NOREF#1790  -  []  188.08 291.65 90 top
NOREF#1791  -  []  310.43 246.34 90 top
NOREF#1792  -  []  107.76 238.84 0 top
NOREF#1793  -  []  209.23 232.37 90 top
NOREF#1794  -  []  256.45 224.74 0 top
NOREF#1795  -  []  313.22 288.31 90 top
NOREF#1796  -  []  414.82 281.37 0 top
NOREF#1797  -  []  271.82 134.74 90 top
NOREF#1798  -  []  36.1 129.71 90 top
NOREF#1799  -  []  393.19 255.21 90 top
NOREF#1800  -  []  310.43 183.09 90 top
NOREF#1801  -  []  230.41 246.34 90 top
NOREF#1802  -  []  264.29 272.1 90 top
NOREF#1803  -  []  254.29 204.35 90 top
NOREF#1804  -  []  463.61 179.15 0 top
NOREF#1805  -  []  184.89 172.56 90 top
NOREF#1806  -  []  301.56 250.49 0 top
NOREF#1807  -  []  342.68 164.74 90 top
NOREF#1808  -  []  385.19 265.11 0 top
NOREF#1809  -  []  449.99 174.46 0 top
NOREF#1810  -  []  209.23 202.99 90 top
NOREF#1811  -  []  266.74 143.19 0 top
NOREF#1812  -  []  249.28 225.04 90 top
NOREF#1813  -  []  472.86 210.36 90 top
NOREF#1814  -  []  184.47 255.15 90 top
NOREF#1815  -  []  247.78 140.14 0 top
NOREF#1816  -  []  215.96 177.06 0 top
NOREF#1817  -  []  238.3 288.61 0 top
NOREF#1818  -  []  450.03 210.36 0 top
NOREF#1819  -  []  237.98 165.04 90 top
NOREF#1820  -  []  272.24 181.05 90 top
NOREF#1821  -  []  460.93 210.36 90 top
NOREF#1822  -  []  247.89 264.35 90 top
NOREF#1823  -  []  182.82 203.01 90 top
NOREF#1824  -  []  182.57 240.28 90 top
NOREF#1825  -  []  327.57 204.65 90 top
NOREF#1826  -  []  272.55 241.37 0 top
NOREF#1827  -  []  223.56 185.29 90 top
NOREF#1828  -  []  419.64 256.82 90 top
NOREF#1829  -  []  209.49 162.1 90 top
NOREF#1830  -  []  332.51 205.55 0 top
NOREF#1831  -  []  479.44 195.66 0 top
NOREF#1832  -  []  328.01 286.96 0 top
NOREF#1833  -  []  182.57 144.78 0 top
NOREF#1834  -  []  465.81 179.15 0 top
NOREF#1835  -  []  388.43 163.64 0 top
NOREF#1836  -  []  385.19 232.85 0 top
NOREF#1837  -  []  239.33 236.03 0 top
NOREF#1838  -  []  182.57 254 90 top
NOREF#1839  -  []  312.25 271.67 90 top
NOREF#1840  -  []  251.94 264.65 90 top
NOREF#1841  -  []  413.75 171.64 0 top
NOREF#1842  -  []  328.62 290.13 90 top
NOREF#1843  -  []  378.33 209.11 0 top
NOREF#1844  -  []  118.7 188.08 0 top
NOREF#1845  -  []  408.37 258.64 90 top
NOREF#1846  -  []  450.03 234.74 0 top
NOREF#1847  -  []  342.08 290.13 90 top
NOREF#1848  -  []  473.79 234.49 90 top
NOREF#1849  -  []  201.23 186.57 90 top
NOREF#1850  -  []  192.47 250.38 90 top
NOREF#1851  -  []  201.49 178.86 90 top
NOREF#1852  -  []  373.68 265.11 0 top
NOREF#1853  -  []  283.25 147.43 90 top
NOREF#1854  -  []  385.93 178.25 0 top
NOREF#1855  -  []  106.11 234.24 0 top
NOREF#1856  -  []  396.55 257.37 0 top
NOREF#1857  -  []  468.01 222.58 0 top
NOREF#1858  -  []  184.47 190.12 90 top
NOREF#1859  -  []  306.85 271.67 0 top
NOREF#1860  -  []  321.82 227.13 90 top
NOREF#1861  -  []  327.89 204.35 90 top
NOREF#1862  -  []  351.04 181.69 0 top
NOREF#1863  -  []  254.29 264.35 90 top
NOREF#1864  -  []  184.47 178.86 90 top
NOREF#1865  -  []  175.7 222.95 90 top
NOREF#1866  -  []  371.73 289.12 0 top
NOREF#1867  -  []  237.98 223.82 90 top
NOREF#1868  -  []  299.81 213.69 90 top
NOREF#1869  -  []  375.73 199.18 90 top
NOREF#1870  -  []  392.24 199.18 90 top
NOREF#1871  -  []  501.87 276.41 90 top
NOREF#1872  -  []  222.11 180.71 0 top
NOREF#1873  -  []  385.19 289.12 0 top
NOREF#1874  -  []  396.03 146.88 0 top
NOREF#1875  -  []  250.73 264.35 90 top
NOREF#1876  -  []  461.96 174.55 0 top
NOREF#1877  -  []  410.52 289.12 0 top
NOREF#1878  -  []  459.24 175.86 90 top
NOREF#1879  -  []  229.21 243.09 0 top
NOREF#1880  -  []  257.09 164.74 90 top
NOREF#1881  -  []  330.73 264.35 90 top
NOREF#1882  -  []  192.47 246.08 90 top
NOREF#1883  -  []  122.15 187.53 0 top
NOREF#1884  -  []  250.23 132.14 0 top
NOREF#1885  -  []  343.95 164.74 90 top
NOREF#1886  -  []  343.63 165.04 90 top
NOREF#1887  -  []  182.82 175.58 90 top
NOREF#1888  -  []  112.41 214.71 0 top
NOREF#1889  -  []  262.04 224.74 0 top
NOREF#1890  -  []  277.17 288.86 0 top
NOREF#1891  -  []  199.33 212.85 0 top
NOREF#1892  -  []  290.64 288.86 0 top
NOREF#1893  -  []  218.16 237.06 0 top
NOREF#1894  -  []  249.85 164.72 0 top
NOREF#1895  -  []  165.8 185.42 90 top
NOREF#1896  -  []  405.93 272.56 90 top
NOREF#1897  -  []  310.73 253.69 0 top
NOREF#1898  -  []  415.6 146.88 0 top
NOREF#1899  -  []  253.33 181.33 90 top
NOREF#1900  -  []  252.51 265.56 0 top
NOREF#1901  -  []  184.47 200.54 90 top
NOREF#1902  -  []  511.59 293.82 90 top
NOREF#1903  -  []  248.61 290.13 90 top
NOREF#1904  -  []  230.73 193.69 0 top
NOREF#1905  -  []  247.25 264.35 90 top
NOREF#1906  -  []  322.23 233.13 0 top
NOREF#1907  -  []  309.51 249.2 0 top
NOREF#1908  -  []  261.63 195.43 90 top
NOREF#1909  -  []  106.36 190.55 0 top
NOREF#1910  -  []  303.56 233.86 90 top
NOREF#1911  -  []  175.7 246.08 90 top
NOREF#1912  -  []  451.64 222.5 0 top
NOREF#1913  -  []  451.68 214.96 0 top
NOREF#1914  -  []  396.55 257.37 0 top
NOREF#1915  -  []  383.09 257.11 0 top
NOREF#1916  -  []  397.57 131.89 0 top
NOREF#1917  -  []  184.47 149.48 90 top
NOREF#1918  -  []  298.16 188.49 0 top
NOREF#1919  -  []  310.43 189.52 0 top
NOREF#1920  -  []  247.78 132.14 90 top
NOREF#1921  -  []  495.08 277.31 90 top
NOREF#1922  -  []  390.69 224.85 0 top
NOREF#1923  -  []  249.6 163.52 90 top
NOREF#1924  -  []  417.2 163.64 0 top
NOREF#1925  -  []  167.7 258.7 90 top
NOREF#1926  -  []  250.73 205.56 90 top
NOREF#1927  -  []  75.98 287.84 90 top
NOREF#1928  -  []  209.23 243.88 90 top
NOREF#1929  -  []  403.99 180.15 0 top
NOREF#1930  -  []  272.25 182.32 90 top
NOREF#1931  -  []  319.33 183.63 90 top
NOREF#1932  -  []  217.71 216.09 0 top
NOREF#1933  -  []  104.18 191.95 0 top
NOREF#1934  -  []  301.56 239.06 0 top
NOREF#1935  -  []  319.33 236.03 0 top
NOREF#1936  -  []  378.75 256.66 90 top
NOREF#1937  -  []  341.48 286.96 0 top
NOREF#1938  -  []  127.59 211.59 90 top
NOREF#1939  -  []  100.98 195.15 0 top
NOREF#1940  -  []  230.43 183.09 90 top
NOREF#1941  -  []  461.96 174.55 0 top
NOREF#1942  -  []  251.05 205.86 90 top
NOREF#1943  -  []  263.71 288.86 0 top
NOREF#1944  -  []  459.28 183.57 90 top
NOREF#1945  -  []  385.19 249.11 0 top
NOREF#1946  -  []  385.19 297.12 0 top
NOREF#1947  -  []  399.07 208.81 90 top
NOREF#1948  -  []  192.57 242.68 90 top
NOREF#1949  -  []  253.72 265.86 90 top
NOREF#1950  -  []  397.8 163.09 90 top
NOREF#1951  -  []  177.33 160.4 90 top
NOREF#1952  -  []  396.55 241.11 0 top
NOREF#1953  -  []  209.23 191.22 90 top
NOREF#1954  -  []  310.43 187.61 0 top
NOREF#1955  -  []  412.88 139.89 0 top
NOREF#1956  -  []  175.7 243.88 90 top
NOREF#1957  -  []  423.61 184.62 90 top
NOREF#1958  -  []  262.04 164.72 0 top
NOREF#1959  -  []  240.94 151.63 90 top
NOREF#1960  -  []  339.33 205.55 0 top
NOREF#1961  -  []  453.88 195.91 0 top
NOREF#1962  -  []  393.19 222.95 90 top
NOREF#1963  -  []  310.41 247.61 90 top
NOREF#1964  -  []  389.7 209.36 0 top
NOREF#1965  -  []  331.62 205.55 0 top
NOREF#1966  -  []  419.9 240.66 90 top
NOREF#1967  -  []  185.2 292.55 90 top
NOREF#1968  -  []  127.7 231.22 0 top
NOREF#1969  -  []  343.63 225.04 90 top
NOREF#1970  -  []  449.99 174.46 0 top
NOREF#1971  -  []  412.88 131.89 0 top
NOREF#1972  -  []  387.39 265.11 0 top
NOREF#1973  -  []  465.81 222.58 0 top
NOREF#1974  -  []  119.95 195.15 0 top
NOREF#1975  -  []  273.09 288.41 90 top
NOREF#1976  -  []  316.97 139.64 0 top
NOREF#1977  -  []  175.7 164.3 90 top
NOREF#1978  -  []  372.72 178.25 0 top
NOREF#1979  -  []  300.01 288.41 90 top
NOREF#1980  -  []  199.59 171.96 90 top
NOREF#1981  -  []  254.29 265.55 0 top
NOREF#1982  -  []  472.86 166.93 90 top
NOREF#1983  -  []  175.7 148.38 90 top
NOREF#1984  -  []  199.59 243.9 90 top
NOREF#1985  -  []  337.09 224.74 90 top
NOREF#1986  -  []  412.37 265.37 0 top
NOREF#1987  -  []  253.53 140.14 0 top
NOREF#1988  -  []  201.23 247.18 90 top
NOREF#1989  -  []  210.86 187.32 90 top
NOREF#1990  -  []  367.73 290.39 90 top
NOREF#1991  -  []  465.45 290.38 90 top
NOREF#1992  -  []  175.8 201.79 90 top
NOREF#1993  -  []  263.71 288.86 0 top
NOREF#1994  -  []  175.8 133.97 90 top
NOREF#1995  -  []  230.73 193.69 0 top
NOREF#1996  -  []  259.33 204.35 90 top
NOREF#1997  -  []  384.36 131.89 0 top
NOREF#1998  -  []  201.23 200.54 90 top
NOREF#1999  -  []  199.84 148.65 90 top
NOREF#2000  -  []  184.47 219.75 90 top
NOREF#2001  -  []  354.27 134.07 90 top
NOREF#2002  -  []  232.25 271.67 90 top
NOREF#2003  -  []  271.34 183.91 0 top
NOREF#2004  -  []  267.84 280.1 0 top
NOREF#2005  -  []  334.29 265.55 0 top
NOREF#2006  -  []  341.63 173.83 90 top
NOREF#2007  -  []  401.89 163.64 0 top
NOREF#2008  -  []  250.18 182.88 0 top
NOREF#2009  -  []  397.8 163.19 90 top
NOREF#2010  -  []  471.21 175.95 0 top
NOREF#2011  -  []  248.96 164.74 0 top
NOREF#2012  -  []  286.12 288.86 90 top
NOREF#2013  -  []  201.23 206.29 90 top
NOREF#2014  -  []  425.23 180.72 90 top
NOREF#2015  -  []  115.61 191.95 90 top
NOREF#2016  -  []  399.67 139.89 0 top
NOREF#2017  -  []  254.61 264.65 90 top
NOREF#2018  -  []  167.7 200.54 90 top
NOREF#2019  -  []  192.47 148.38 90 top
NOREF#2020  -  []  402.14 146.88 0 top
NOREF#2021  -  []  377.32 180.15 0 top
NOREF#2022  -  []  398.53 178.25 90 top
NOREF#2023  -  []  112.41 195.15 0 top
NOREF#2024  -  []  257.09 223.52 90 top
NOREF#2025  -  []  528.1 273.87 90 top
NOREF#2026  -  []  354.27 138.37 90 top
NOREF#2027  -  []  272.25 185.5 0 top
NOREF#2028  -  []  385.61 208.66 90 top
NOREF#2029  -  []  329.28 225.04 90 top
NOREF#2030  -  []  376.15 192.88 90 top
NOREF#2031  -  []  260.83 234.63 90 top
NOREF#2032  -  []  230.43 248.88 90 top
NOREF#2033  -  []  400.85 233.11 0 top
NOREF#2034  -  []  177.33 173.86 90 top
NOREF#2035  -  []  192.47 205.19 90 top
NOREF#2036  -  []  271.34 189.5 0 top
NOREF#2037  -  []  250.17 165.04 90 top
NOREF#2038  -  []  201.23 227.72 90 top
NOREF#2039  -  []  385.93 161.74 0 top
NOREF#2040  -  []  260.55 136.46 90 top
NOREF#2041  -  []  336.45 164.74 0 top
NOREF#2042  -  []  336.77 223.82 90 top
NOREF#2043  -  []  411.52 146.43 90 top
NOREF#2044  -  []  310.41 188.88 90 top
NOREF#2045  -  []  264.54 143.19 0 top
NOREF#2046  -  []  383.09 224.85 0 top
NOREF#2047  -  []  412.62 297.12 0 top
NOREF#2048  -  []  230.41 187.61 90 top
NOREF#2049  -  []  392.04 241.11 90 top
NOREF#2050  -  []  118.96 179.19 0 top
NOREF#2051  -  []  201.23 229.07 90 top
NOREF#2052  -  []  165.8 158.5 90 top
NOREF#2053  -  []  415.61 179.97 0 top
NOREF#2054  -  []  259.33 205.56 0 top
NOREF#2055  -  []  300.11 273.24 90 top
NOREF#2056  -  []  182.82 216.47 90 top
NOREF#2057  -  []  230.43 243.09 0 top
NOREF#2058  -  []  310.43 253.37 90 top
NOREF#2059  -  []  329.16 296.86 0 top
NOREF#2060  -  []  127.95 195.15 0 top
NOREF#2061  -  []  471.21 219.38 0 top
NOREF#2062  -  []  260.6 286.96 90 top
NOREF#2063  -  []  352.24 182.32 90 top
NOREF#2064  -  []  172.08 275.14 90 top
NOREF#2065  -  []  272.24 243.59 90 top
NOREF#2066  -  []  478.57 274.77 90 top
NOREF#2067  -  []  175.7 232.37 90 top
NOREF#2068  -  []  343.98 288.86 0 top
NOREF#2069  -  []  105.83 190.55 90 top
NOREF#2070  -  []  381.2 242.38 90 top
NOREF#2071  -  []  251.06 225.04 90 top
NOREF#2072  -  []  408.63 290.39 90 top
NOREF#2073  -  []  251.06 223.82 90 top
NOREF#2074  -  []  333.4 265.56 0 top
NOREF#2075  -  []  289.29 296.86 0 top
NOREF#2076  -  []  192.47 209.49 90 top
NOREF#2077  -  []  418.12 241.11 0 top
NOREF#2078  -  []  405.93 240.66 90 top
NOREF#2079  -  []  331.54 192.73 90 top
NOREF#2080  -  []  272.55 182.64 0 top
NOREF#2081  -  []  238.3 223.52 90 top
NOREF#2082  -  []  110.47 178.64 0 top
NOREF#2083  -  []  250.74 224.72 0 top
NOREF#2084  -  []  376.98 224.6 0 top
NOREF#2085  -  []  101.29 247.16 90 top
NOREF#2086  -  []  451.68 195.91 0 top
NOREF#2087  -  []  250.73 265.56 90 top
NOREF#2088  -  []  415.61 181.32 90 top
NOREF#2089  -  []  330.17 225.04 90 top
NOREF#2090  -  []  331.54 252.73 90 top
NOREF#2091  -  []  314.71 142.44 90 top
NOREF#2092  -  []  303.84 288.86 0 top
NOREF#2093  -  []  379.52 171.39 0 top
NOREF#2094  -  []  172.08 291.65 90 top
NOREF#2095  -  []  184.47 161 90 top
NOREF#2096  -  []  412.62 241.11 0 top
NOREF#2097  -  []  450.03 210.36 0 top
NOREF#2098  -  []  408.28 129.99 0 top
NOREF#2099  -  []  118.7 190.55 90 top
NOREF#2100  -  []  518.38 257.36 90 top
NOREF#2101  -  []  222.11 240.71 0 top
NOREF#2102  -  []  253.72 205.86 90 top
NOREF#2103  -  []  450.03 182.17 0 top
NOREF#2104  -  []  309.21 187.61 0 top
NOREF#2105  -  []  300.36 177.06 0 top
NOREF#2106  -  []  201.23 241.43 0 top
NOREF#2107  -  []  330.73 205.56 0 top
NOREF#2108  -  []  290.11 280.1 0 top
NOREF#2109  -  []  471.21 211.76 90 top
NOREF#2110  -  []  167.7 165.4 90 top
NOREF#2111  -  []  263.31 164.72 0 top
NOREF#2112  -  []  93.76 271.33 90 top
NOREF#2113  -  []  301.56 231.46 0 top
NOREF#2114  -  []  286.55 288.41 90 top
NOREF#2115  -  []  331.62 205.56 90 top
NOREF#2116  -  []  298.13 274.06 0 top
NOREF#2117  -  []  343.31 224.72 0 top
NOREF#2118  -  []  184.47 256.5 90 top
NOREF#2119  -  []  168.69 276.04 90 top
NOREF#2120  -  []  383.09 241.11 0 top
NOREF#2121  -  []  200.98 260.9 90 top
NOREF#2122  -  []  410.52 289.12 0 top
NOREF#2123  -  []  259.65 264.65 90 top
NOREF#2124  -  []  409.17 281.37 0 top
NOREF#2125  -  []  215.96 237.06 0 top
NOREF#2126  -  []  342.36 165.04 90 top
NOREF#2127  -  []  367.13 287.22 0 top
NOREF#2128  -  []  272.25 181.05 90 top
NOREF#2129  -  []  471.21 168.33 0 top
NOREF#2130  -  []  310.41 248.88 90 top
NOREF#2131  -  []  94.93 190.55 0 top
NOREF#2132  -  []  184.47 219.75 90 top
NOREF#2133  -  []  175.8 187.82 90 top
NOREF#2134  -  []  115.61 191.95 0 top
NOREF#2135  -  []  310.41 243.09 90 top
NOREF#2136  -  []  405.51 209.61 0 top
NOREF#2137  -  []  184.89 240.88 90 top
NOREF#2138  -  []  262.36 163.82 90 top
NOREF#2139  -  []  448.94 273.87 90 top
NOREF#2140  -  []  351.58 288.86 0 top
NOREF#2141  -  []  250.18 242.88 0 top
NOREF#2142  -  []  124.35 222.33 0 top
NOREF#2143  -  []  377.32 188.15 0 top
NOREF#2144  -  []  451.68 214.96 0 top
NOREF#2145  -  []  410.52 273.37 0 top
NOREF#2146  -  []  331.06 165.04 90 top
NOREF#2147  -  []  167.7 145.93 90 top
NOREF#2148  -  []  385.19 241.11 0 top
NOREF#2149  -  []  166.06 148.4 90 top
NOREF#2150  -  []  352.25 189.82 0 top
NOREF#2151  -  []  229.51 247.93 0 top
NOREF#2152  -  []  329.6 224.74 90 top
NOREF#2153  -  []  386.53 164.91 90 top
NOREF#2154  -  []  230.43 186.34 90 top
NOREF#2155  -  []  394.05 239.21 0 top
NOREF#2156  -  []  420.15 131.44 90 top
NOREF#2157  -  []  331.94 204.65 90 top
NOREF#2158  -  []  396.55 273.11 0 top
NOREF#2159  -  []  310.73 189.2 0 top
NOREF#2160  -  []  342.68 223.52 90 top
